# EAGLE board Mk4 Final a Panel score (EAGLE 9.0.1), part 9 of 24
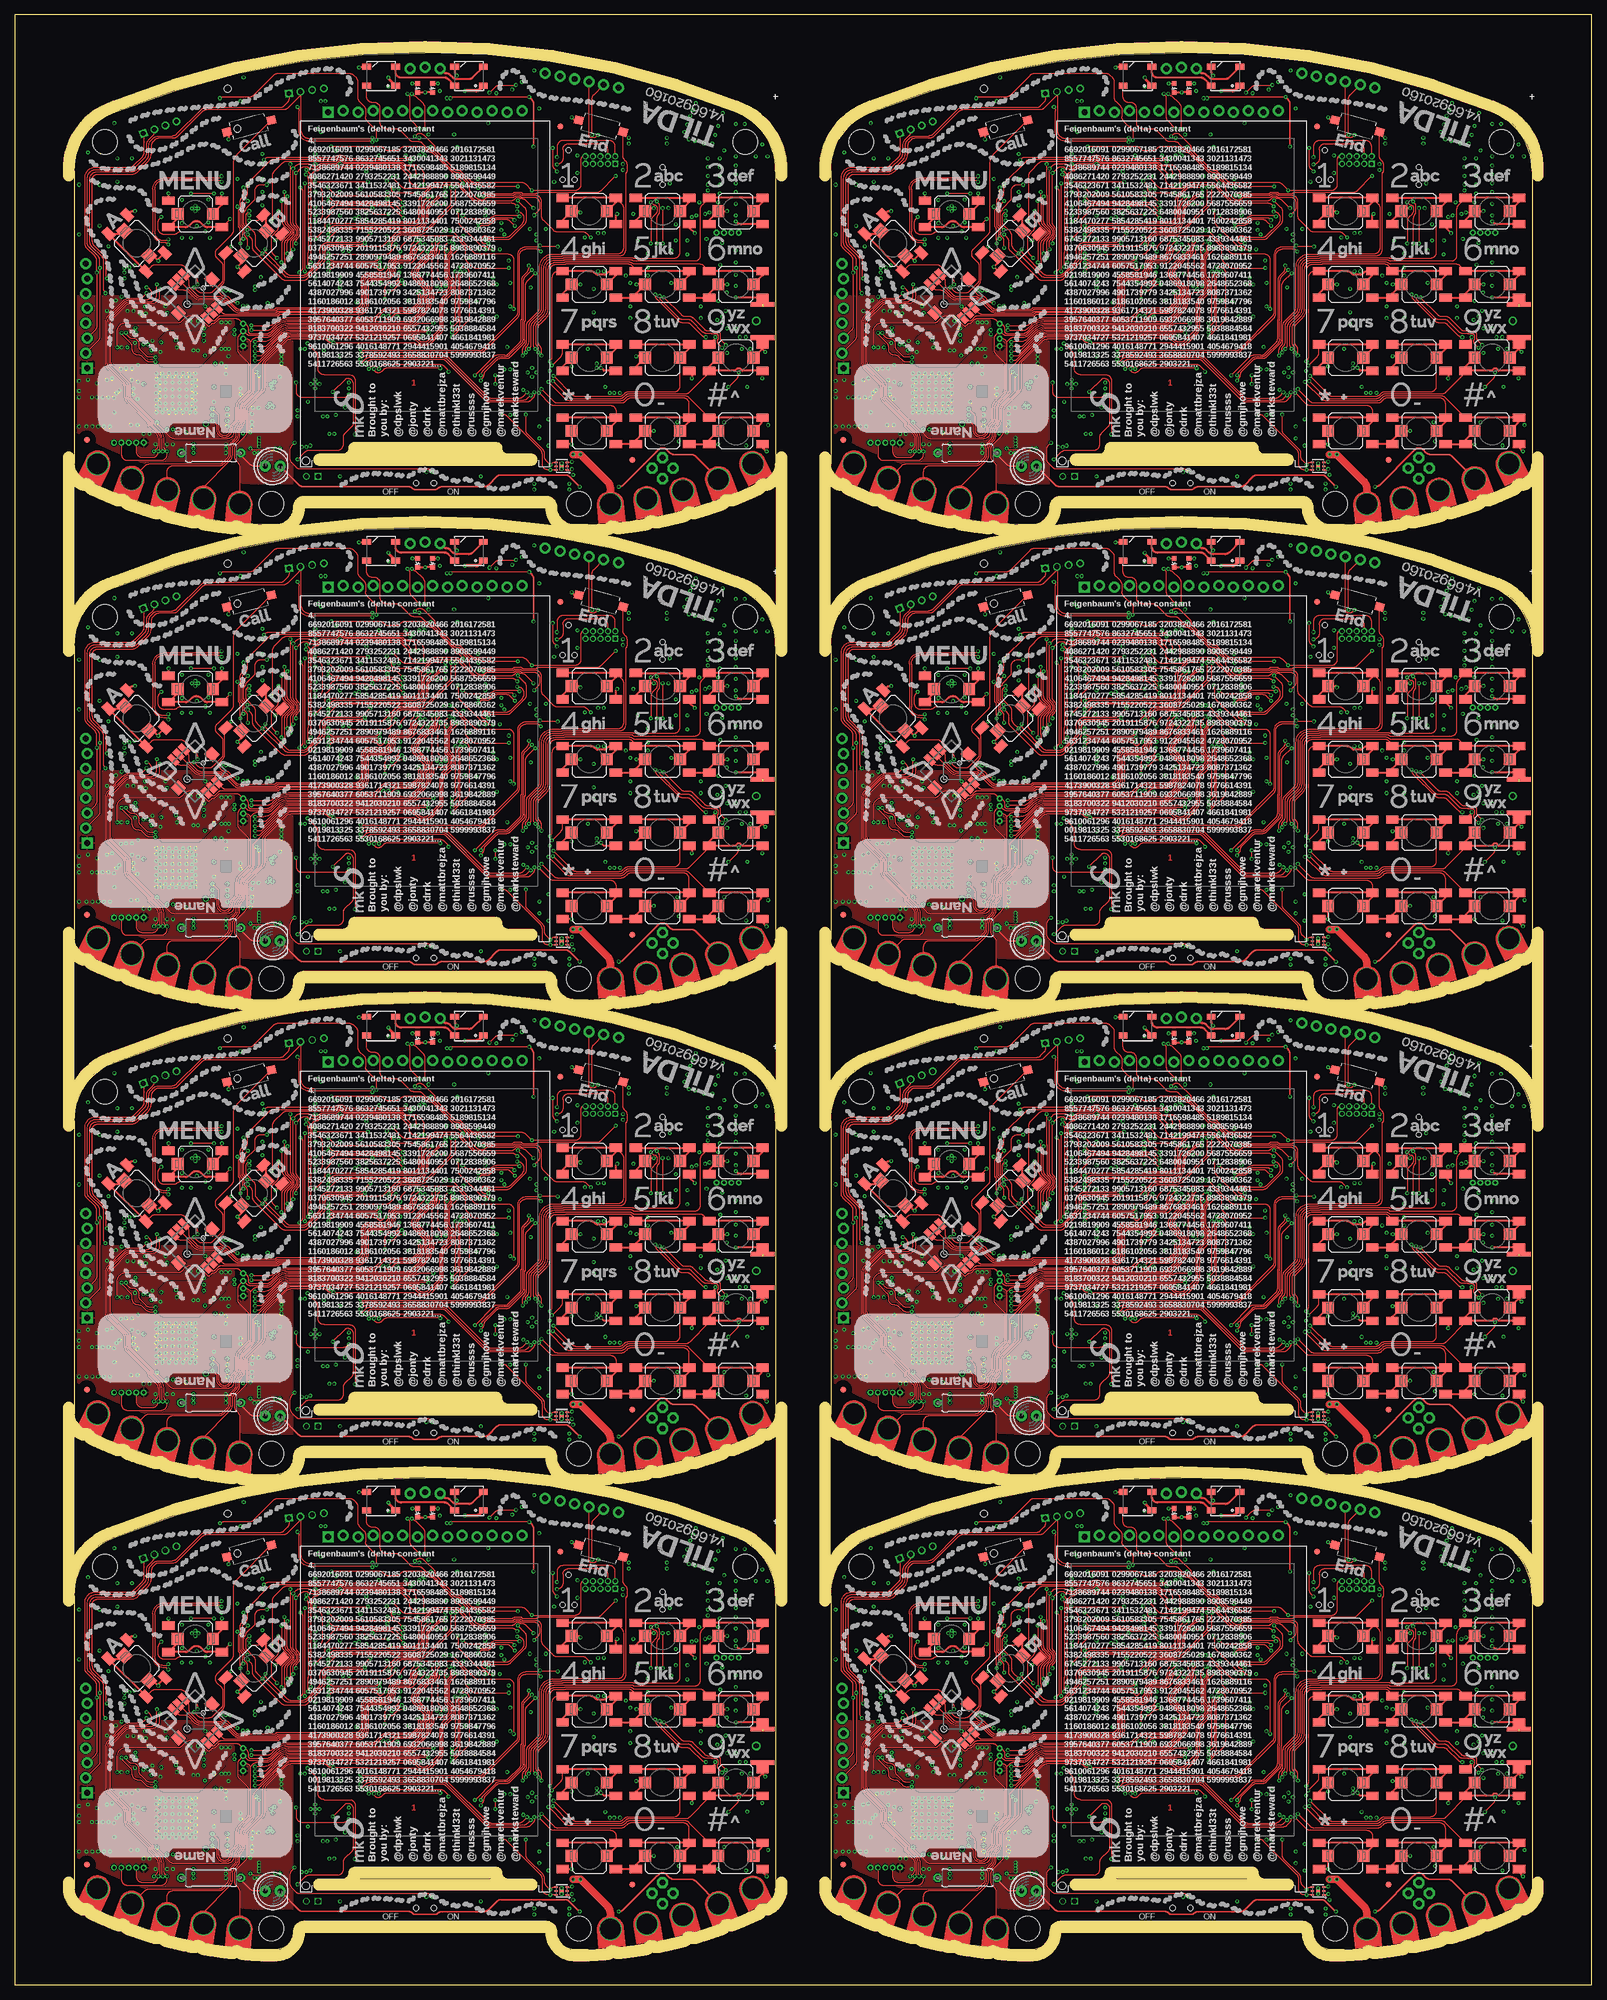
[diagram p0: board, top side]
## Tracks (layer width: path | path; a pad name or v marks a point on that pad's centre or on a via) (continued)
BTN_CALL3  (via drill 0.3)
  Top 0.15: v217.65,109.6 217.65,109.26 arc-45 217.36,108.56 216.99,108.19 arc-45 216.29,107.9 210.22,107.9 arc-45 209.16,108.34 202.59,114.91 arc45 201.89,115.2 190.01,115.2 arc45 189.31,114.91 v188.8,114.4 | S79.2 166.86,150.1 arc45 166.28,148.69 166.28,137.19 arc-45 165.98,136.48 163.46,133.96 arc90 163.46,132.54 164.21,131.79 arc-45 164.5,131.09 164.5,128.91 arc-45 164.21,128.21 162.79,126.79 arc-45 162.08,126.49 161.02,126.49 arc-45 160.31,126.79 v159.6,127.5
  Bottom 0.15: IC67.15 217.5,109.75 v217.65,109.6 | v188.8,114.4 188.38,113.98 arc-90 187.32,113.98 184.72,116.58 arc45 184.01,116.88 183.17,116.88 arc-45 182.11,117.31 178.52,120.91 arc45 177.81,121.2 170.62,121.2 arc-45 170.48,121.26 170.28,121.47 arc45 170.13,121.53 169.7,121.53 arc-45 168.64,121.96 166.89,123.71 arc45 166.19,124 163.92,124 arc-45 163.03,124.37 162.09,125.31 arc45 161.39,125.6 160.85,125.6 arc-90 159.6,126.85 v159.6,127.5
BTN_CALL4  (via drill 0.3)
  Top 0.15: v88.65,190.6 88.65,190.26 arc-45 88.36,189.56 87.99,189.19 arc-45 87.29,188.9 81.22,188.9 arc-45 80.16,189.34 73.59,195.91 arc45 72.89,196.2 61.01,196.2 arc45 60.31,195.91 v59.8,195.4 | S100.2 37.86,231.1 arc45 37.27,229.69 37.27,218.19 arc-45 36.98,217.48 34.46,214.96 arc90 34.46,213.54 35.21,212.79 arc-45 35.5,212.09 35.5,209.91 arc-45 35.21,209.21 33.79,207.79 arc-45 33.08,207.49 32.02,207.49 arc-45 31.31,207.79 v30.6,208.5
  Bottom 0.15: IC85.15 88.5,190.75 v88.65,190.6 | v59.8,195.4 59.38,194.98 arc-90 58.32,194.98 55.72,197.58 arc45 55.01,197.88 54.17,197.88 arc-45 53.11,198.31 49.52,201.91 arc45 48.81,202.2 41.62,202.2 arc-45 41.48,202.26 41.28,202.47 arc45 41.14,202.53 40.7,202.53 arc-45 39.64,202.96 37.89,204.71 arc45 37.19,205 34.92,205 arc-45 34.03,205.37 33.09,206.31 arc45 32.39,206.6 31.85,206.6 arc-90 30.6,207.85 v30.6,208.5
BTN_CALL5  (via drill 0.3)
  Top 0.15: v217.65,190.6 217.65,190.26 arc-45 217.36,189.56 216.99,189.19 arc-45 216.29,188.9 210.22,188.9 arc-45 209.16,189.34 202.59,195.91 arc45 201.89,196.2 190.01,196.2 arc45 189.31,195.91 v188.8,195.4 | S121.2 166.86,231.1 arc45 166.28,229.69 166.28,218.19 arc-45 165.98,217.48 163.46,214.96 arc90 163.46,213.54 164.21,212.79 arc-45 164.5,212.09 164.5,209.91 arc-45 164.21,209.21 162.79,207.79 arc-45 162.08,207.49 161.02,207.49 arc-45 160.31,207.79 v159.6,208.5
  Bottom 0.15: IC103.15 217.5,190.75 v217.65,190.6 | v188.8,195.4 188.38,194.98 arc-90 187.32,194.98 184.72,197.58 arc45 184.01,197.88 183.17,197.88 arc-45 182.11,198.31 178.52,201.91 arc45 177.81,202.2 170.62,202.2 arc-45 170.48,202.26 170.28,202.47 arc45 170.13,202.53 169.7,202.53 arc-45 168.64,202.96 166.89,204.71 arc45 166.19,205 163.92,205 arc-45 163.03,205.37 162.09,206.31 arc45 161.39,206.6 160.85,206.6 arc-90 159.6,207.85 v159.6,208.5
BTN_CALL6  (via drill 0.3)
  Top 0.15: v88.65,271.6 88.65,271.26 arc-45 88.36,270.56 87.99,270.19 arc-45 87.29,269.9 81.22,269.9 arc-45 80.16,270.34 73.59,276.91 arc45 72.89,277.2 61.01,277.2 arc45 60.31,276.91 v59.8,276.4 | S142.2 37.86,312.1 arc45 37.27,310.69 37.27,299.19 arc-45 36.98,298.48 34.46,295.96 arc90 34.46,294.54 35.21,293.79 arc-45 35.5,293.09 35.5,290.91 arc-45 35.21,290.21 33.79,288.79 arc-45 33.08,288.49 32.02,288.49 arc-45 31.31,288.79 v30.6,289.5
  Bottom 0.15: IC121.15 88.5,271.75 v88.65,271.6 | v59.8,276.4 59.38,275.98 arc-90 58.32,275.98 55.72,278.58 arc45 55.01,278.88 54.17,278.88 arc-45 53.11,279.31 49.52,282.91 arc45 48.81,283.2 41.62,283.2 arc-45 41.48,283.26 41.28,283.47 arc45 41.14,283.52 40.7,283.52 arc-45 39.64,283.96 37.89,285.71 arc45 37.19,286 34.92,286 arc-45 34.03,286.37 33.09,287.31 arc45 32.39,287.6 31.85,287.6 arc-90 30.6,288.85 v30.6,289.5
BTN_CALL7  (via drill 0.3)
  Top 0.15: v217.65,271.6 217.65,271.26 arc-45 217.36,270.56 216.99,270.19 arc-45 216.29,269.9 210.22,269.9 arc-45 209.16,270.34 202.59,276.91 arc45 201.89,277.2 190.01,277.2 arc45 189.31,276.91 v188.8,276.4 | S163.2 166.86,312.1 arc45 166.28,310.69 166.28,299.19 arc-45 165.98,298.48 163.46,295.96 arc90 163.46,294.54 164.21,293.79 arc-45 164.5,293.09 164.5,290.91 arc-45 164.21,290.21 162.79,288.79 arc-45 162.08,288.49 161.02,288.49 arc-45 160.31,288.79 v159.6,289.5
  Bottom 0.15: IC139.15 217.5,271.75 v217.65,271.6 | v188.8,276.4 188.38,275.98 arc-90 187.32,275.98 184.72,278.58 arc45 184.01,278.88 183.17,278.88 arc-45 182.11,279.31 178.52,282.91 arc45 177.81,283.2 170.62,283.2 arc-45 170.48,283.26 170.28,283.47 arc45 170.13,283.52 169.7,283.52 arc-45 168.64,283.96 166.89,285.71 arc45 166.19,286 163.92,286 arc-45 163.03,286.37 162.09,287.31 arc45 161.39,287.6 160.85,287.6 arc-90 159.6,288.85 v159.6,289.5
BTN_END  (via drill 0.3)
  Top 0.2: S17.2 103.77,68.9 arc45 104.06,68.19 104.21,68.04 arc-45 104.5,67.34 104.5,66.46 arc-45 104.35,66.1 arc45 104.25,65.85 104.25,52.9 arc-90 103.25,51.9 93.45,51.9 93.38,51.83 91.9,51.83 arc90 89.9,49.83 89.9,43.05 arc-45 89.53,42.16 87.99,40.62 arc45 87.7,39.92 87.7,37.19 arc-45 87.41,36.48 87.3,36.37 arc45 87.15,36.02 87.15,35.77 87.2,35.72 v87.2,35.4
  Bottom 0.15: IC4.2 87.5,34.69 arc45 v87.21,35.39 v87.2,35.4
BTN_END1  (via drill 0.3)
  Top 0.2: S38.2 232.77,68.9 arc45 233.06,68.19 233.21,68.04 arc-45 233.5,67.34 233.5,66.46 arc-45 233.35,66.1 arc45 233.25,65.85 233.25,52.9 arc-90 232.25,51.9 222.46,51.9 222.38,51.83 220.9,51.83 arc90 218.9,49.83 218.9,43.05 arc-45 218.53,42.16 216.99,40.62 arc45 216.7,39.92 216.7,37.19 arc-45 216.41,36.48 216.3,36.37 arc45 216.15,36.02 216.15,35.77 216.2,35.72 v216.2,35.4
  Bottom 0.15: IC31.2 216.5,34.69 arc45 v216.21,35.39 v216.2,35.4
BTN_END2  (via drill 0.3)
  Top 0.2: S59.2 103.77,149.9 arc45 104.06,149.19 104.21,149.04 arc-45 104.5,148.34 104.5,147.46 arc-45 104.35,147.1 arc45 104.25,146.85 104.25,133.9 arc-90 103.25,132.9 93.45,132.9 93.38,132.82 91.9,132.82 arc90 89.9,130.82 89.9,124.05 arc-45 89.53,123.16 87.99,121.62 arc45 87.7,120.92 87.7,118.19 arc-45 87.41,117.48 87.3,117.37 arc45 87.15,117.02 87.15,116.77 87.2,116.72 v87.2,116.4
  Bottom 0.15: IC49.2 87.5,115.69 arc45 v87.21,116.39 v87.2,116.4
BTN_END3  (via drill 0.3)
  Top 0.2: S80.2 232.77,149.9 arc45 233.06,149.19 233.21,149.04 arc-45 233.5,148.34 233.5,147.46 arc-45 233.35,147.1 arc45 233.25,146.85 233.25,133.9 arc-90 232.25,132.9 222.46,132.9 222.38,132.82 220.9,132.82 arc90 218.9,130.82 218.9,124.05 arc-45 218.53,123.16 216.99,121.62 arc45 216.7,120.92 216.7,118.19 arc-45 216.41,117.48 216.3,117.37 arc45 216.15,117.02 216.15,116.77 216.2,116.72 v216.2,116.4
  Bottom 0.15: IC67.2 216.5,115.69 arc45 v216.21,116.39 v216.2,116.4
BTN_END4  (via drill 0.3)
  Top 0.2: S101.2 103.77,230.9 arc45 104.06,230.19 104.21,230.04 arc-45 104.5,229.34 104.5,228.46 arc-45 104.35,228.1 arc45 104.25,227.85 104.25,214.9 arc-90 103.25,213.9 93.45,213.9 93.38,213.82 91.9,213.82 arc90 89.9,211.82 89.9,205.05 arc-45 89.53,204.16 87.99,202.62 arc45 87.7,201.92 87.7,199.19 arc-45 87.41,198.49 87.3,198.37 arc45 87.15,198.02 87.15,197.77 87.2,197.72 v87.2,197.4
  Bottom 0.15: IC85.2 87.5,196.69 arc45 v87.21,197.39 v87.2,197.4
BTN_END5  (via drill 0.3)
  Top 0.2: S122.2 232.77,230.9 arc45 233.06,230.19 233.21,230.04 arc-45 233.5,229.34 233.5,228.46 arc-45 233.35,228.1 arc45 233.25,227.85 233.25,214.9 arc-90 232.25,213.9 222.46,213.9 222.38,213.82 220.9,213.82 arc90 218.9,211.82 218.9,205.05 arc-45 218.53,204.16 216.99,202.62 arc45 216.7,201.92 216.7,199.19 arc-45 216.41,198.49 216.3,198.37 arc45 216.15,198.02 216.15,197.77 216.2,197.72 v216.2,197.4
  Bottom 0.15: IC103.2 216.5,196.69 arc45 v216.21,197.39 v216.2,197.4
BTN_END6  (via drill 0.3)
  Top 0.2: S143.2 103.77,311.9 arc45 104.06,311.19 104.21,311.04 arc-45 104.5,310.34 104.5,309.46 arc-45 104.35,309.1 arc45 104.25,308.85 104.25,295.9 arc-90 103.25,294.9 93.45,294.9 93.38,294.82 91.9,294.82 arc90 89.9,292.82 89.9,286.05 arc-45 89.53,285.16 87.99,283.62 arc45 87.7,282.92 87.7,280.19 arc-45 87.41,279.49 87.3,279.37 arc45 87.15,279.02 87.15,278.77 87.2,278.72 v87.2,278.4
  Bottom 0.15: IC121.2 87.5,277.69 arc45 v87.21,278.39 v87.2,278.4
BTN_END7  (via drill 0.3)
  Top 0.2: S164.2 232.77,311.9 arc45 233.06,311.19 233.21,311.04 arc-45 233.5,310.34 233.5,309.46 arc-45 233.35,309.1 arc45 233.25,308.85 233.25,295.9 arc-90 232.25,294.9 222.46,294.9 222.38,294.82 220.9,294.82 arc90 218.9,292.82 218.9,286.05 arc-45 218.53,285.16 216.99,283.62 arc45 216.7,282.92 216.7,280.19 arc-45 216.41,279.49 216.3,279.37 arc45 216.15,279.02 216.15,278.77 216.2,278.72 v216.2,278.4
  Bottom 0.15: IC139.2 216.5,277.69 arc45 v216.21,278.39 v216.2,278.4
BTN_MENU  (via drill 0.3)
  Top 0.15: S14.B1 v36.75,58.15 | v54,70.5 62.23,70.5 arc-45 62.94,70.21 63.08,70.07 arc45 63.78,69.78 65.02,69.78 arc45 65.72,70.07 65.86,70.21 arc-45 66.57,70.5 69.23,70.5 arc-45 69.93,70.21 70.37,69.77 arc45 71.08,69.47 arc-45 71.33,69.37 75.02,65.68 arc-45 75.08,65.54 75.08,65.47 arc90 75.58,64.97 75.64,64.97 arc-45 75.78,64.92 v76.45,64.25
  Top 0.3: S14.2 27.8,58.3 S14.B2 29.09,56.75 arc45 29.79,57.04 30.21,57.46 arc-45 30.91,57.75 31.09,57.75 arc-45 31.79,57.46 32.21,57.04 arc45 32.91,56.75 S14.B1
  Bottom 0.15: v54,70.5 38.75,70.5 arc90 36.75,68.5 v36.75,58.15 | IC1.102 76.95,63.2 arc-90 76.45,63.7 v76.45,64.25
BTN_MENU1  (via drill 0.3)
  Top 0.15: S36.B1 v165.75,58.15 | v183,70.5 191.23,70.5 arc-45 191.94,70.21 192.08,70.07 arc45 192.78,69.78 194.02,69.78 arc45 194.72,70.07 194.86,70.21 arc-45 195.57,70.5 198.23,70.5 arc-45 198.93,70.21 199.37,69.77 arc45 200.08,69.47 arc-45 200.33,69.37 204.02,65.68 arc-45 204.07,65.54 204.07,65.47 arc90 204.57,64.97 204.64,64.97 arc-45 204.78,64.92 v205.45,64.25
  Top 0.3: S36.2 156.8,58.3 S36.B2 158.09,56.75 arc45 158.79,57.04 159.21,57.46 arc-45 159.91,57.75 160.09,57.75 arc-45 160.79,57.46 161.21,57.04 arc45 161.91,56.75 S36.B1
  Bottom 0.15: v183,70.5 167.75,70.5 arc90 165.75,68.5 v165.75,58.15 | IC20.102 205.95,63.2 arc-90 205.45,63.7 v205.45,64.25
BTN_MENU2  (via drill 0.3)
  Top 0.15: S57.B1 v36.75,139.15 | v54,151.5 62.23,151.5 arc-45 62.94,151.21 63.08,151.07 arc45 63.78,150.78 65.02,150.78 arc45 65.72,151.07 65.86,151.21 arc-45 66.57,151.5 69.23,151.5 arc-45 69.93,151.21 70.37,150.77 arc45 71.08,150.47 arc-45 71.33,150.37 75.02,146.68 arc-45 75.08,146.54 75.08,146.47 arc90 75.58,145.97 75.64,145.97 arc-45 75.78,145.92 v76.45,145.25
  Top 0.3: S57.2 27.8,139.3 S57.B2 29.09,137.75 arc45 29.79,138.04 30.21,138.46 arc-45 30.91,138.75 31.09,138.75 arc-45 31.79,138.46 32.21,138.04 arc45 32.91,137.75 S57.B1
  Bottom 0.15: v54,151.5 38.75,151.5 arc90 36.75,149.5 v36.75,139.15 | IC38.102 76.95,144.2 arc-90 76.45,144.7 v76.45,145.25
BTN_MENU3  (via drill 0.3)
  Top 0.15: S78.B1 v165.75,139.15 | v183,151.5 191.23,151.5 arc-45 191.94,151.21 192.08,151.07 arc45 192.78,150.78 194.02,150.78 arc45 194.72,151.07 194.86,151.21 arc-45 195.57,151.5 198.23,151.5 arc-45 198.93,151.21 199.37,150.77 arc45 200.08,150.47 arc-45 200.33,150.37 204.02,146.68 arc-45 204.07,146.54 204.07,146.47 arc90 204.57,145.97 204.64,145.97 arc-45 204.78,145.92 v205.45,145.25
  Top 0.3: S78.2 156.8,139.3 S78.B2 158.09,137.75 arc45 158.79,138.04 159.21,138.46 arc-45 159.91,138.75 160.09,138.75 arc-45 160.79,138.46 161.21,138.04 arc45 161.91,137.75 S78.B1
  Bottom 0.15: v183,151.5 167.75,151.5 arc90 165.75,149.5 v165.75,139.15 | IC56.102 205.95,144.2 arc-90 205.45,144.7 v205.45,145.25
BTN_MENU4  (via drill 0.3)
  Top 0.15: S99.B1 v36.75,220.15 | v54,232.5 62.23,232.5 arc-45 62.94,232.21 63.08,232.07 arc45 63.78,231.78 65.02,231.78 arc45 65.72,232.07 65.86,232.21 arc-45 66.57,232.5 69.23,232.5 arc-45 69.93,232.21 70.37,231.77 arc45 71.08,231.47 arc-45 71.33,231.37 75.02,227.68 arc-45 75.08,227.54 75.08,227.47 arc90 75.58,226.97 75.64,226.97 arc-45 75.78,226.92 v76.45,226.25
  Top 0.3: S99.2 27.8,220.3 S99.B2 29.09,218.75 arc45 29.79,219.04 30.21,219.46 arc-45 30.91,219.75 31.09,219.75 arc-45 31.79,219.46 32.21,219.04 arc45 32.91,218.75 S99.B1
  Bottom 0.15: v54,232.5 38.75,232.5 arc90 36.75,230.5 v36.75,220.15 | IC74.102 76.95,225.2 arc-90 76.45,225.7 v76.45,226.25
BTN_MENU5  (via drill 0.3)
  Top 0.15: S120.B1 v165.75,220.15 | v183,232.5 191.23,232.5 arc-45 191.94,232.21 192.08,232.07 arc45 192.78,231.78 194.02,231.78 arc45 194.72,232.07 194.86,232.21 arc-45 195.57,232.5 198.23,232.5 arc-45 198.93,232.21 199.37,231.77 arc45 200.08,231.47 arc-45 200.33,231.37 204.02,227.68 arc-45 204.07,227.54 204.07,227.47 arc90 204.57,226.97 204.64,226.97 arc-45 204.78,226.92 v205.45,226.25
  Top 0.3: S120.2 156.8,220.3 S120.B2 158.09,218.75 arc45 158.79,219.04 159.21,219.46 arc-45 159.91,219.75 160.09,219.75 arc-45 160.79,219.46 161.21,219.04 arc45 161.91,218.75 S120.B1
  Bottom 0.15: v183,232.5 167.75,232.5 arc90 165.75,230.5 v165.75,220.15 | IC92.102 205.95,225.2 arc-90 205.45,225.7 v205.45,226.25
BTN_MENU6  (via drill 0.3)
  Top 0.15: S141.B1 v36.75,301.15 | v54,313.5 62.23,313.5 arc-45 62.94,313.21 63.08,313.07 arc45 63.78,312.77 65.02,312.77 arc45 65.72,313.07 65.86,313.21 arc-45 66.57,313.5 69.23,313.5 arc-45 69.93,313.21 70.37,312.77 arc45 71.08,312.48 arc-45 71.33,312.37 75.02,308.68 arc-45 75.08,308.54 75.08,308.48 arc90 75.58,307.98 75.64,307.98 arc-45 75.78,307.92 v76.45,307.25
  Top 0.3: S141.2 27.8,301.3 S141.B2 29.09,299.75 arc45 29.79,300.04 30.21,300.46 arc-45 30.91,300.75 31.09,300.75 arc-45 31.79,300.46 32.21,300.04 arc45 32.91,299.75 S141.B1
  Bottom 0.15: v54,313.5 38.75,313.5 arc90 36.75,311.5 v36.75,301.15 | IC110.102 76.95,306.2 arc-90 76.45,306.7 v76.45,307.25
BTN_MENU7  (via drill 0.3)
  Top 0.15: S162.B1 v165.75,301.15 | v183,313.5 191.23,313.5 arc-45 191.94,313.21 192.08,313.07 arc45 192.78,312.77 194.02,312.77 arc45 194.72,313.07 194.86,313.21 arc-45 195.57,313.5 198.23,313.5 arc-45 198.93,313.21 199.37,312.77 arc45 200.08,312.48 arc-45 200.33,312.37 204.02,308.68 arc-45 204.07,308.54 204.07,308.48 arc90 204.57,307.98 204.64,307.98 arc-45 204.78,307.92 v205.45,307.25
  Top 0.3: S162.2 156.8,301.3 S162.B2 158.09,299.75 arc45 158.79,300.04 159.21,300.46 arc-45 159.91,300.75 160.09,300.75 arc-45 160.79,300.46 161.21,300.04 arc45 161.91,299.75 S162.B1
  Bottom 0.15: v183,313.5 167.75,313.5 arc90 165.75,311.5 v165.75,301.15 | IC128.102 205.95,306.2 arc-90 205.45,306.7 v205.45,307.25
BTST
  Bottom 0.15: IC8.21 48.54,29.75 48.04,29.25 C37.1
BTST1
  Bottom 0.15: IC24.21 177.54,29.75 177.04,29.25 C150.1
BTST2
  Bottom 0.15: IC42.21 48.54,110.75 48.04,110.25 C258.1
BTST3
  Bottom 0.15: IC60.21 177.54,110.75 177.04,110.25 C366.1
BTST4
  Bottom 0.15: IC78.21 48.54,191.75 48.04,191.25 C474.1
BTST5
  Bottom 0.15: IC96.21 177.54,191.75 177.04,191.25 C582.1
BTST6
  Bottom 0.15: IC114.21 48.54,272.75 48.04,272.25 C690.1
BTST7
  Bottom 0.15: IC132.21 177.54,272.75 177.04,272.25 C798.1
CC_!HIB  (via drill 0.3)
  Top 0.15: v41,37.2 42.48,37.2 arc45 43.72,37.71 45.07,39.07 arc-45 46.84,39.8 67.05,39.8 arc45 68.29,40.31 70.71,42.73 arc45 71,43.44 71,43.89 arc-45 71.15,44.25 71.35,44.45 arc45 71.5,44.81 71.5,45.1 arc-90 72,45.6 72.89,45.6 arc45 73.59,45.89 73.73,46.03 arc45 74.03,46.74 74.03,46.97 74,46.99 arc45 73.82,47.44 73.59,47.66 arc-45 73.3,48.37 73.3,52.46 arc-45 73.22,52.64 73.22,52.86 arc-45 73.3,53.04 73.3,53.29 arc-45 73.45,53.65 v74.1,54.3
  Bottom 0.15: IC15.2 30.75,23.7 arc45 30.89,23.36 31.88,22.38 arc45 32.18,22.25 33.79,22.25 arc45 34.15,22.4 R25.1 34.88,22.37 arc45 35.23,22.23 36.3,22.23 arc90 36.8,22.73 36.8,24.5 arc-45 37.39,25.91 38.81,27.33 arc45 39.1,28.04 39.1,34.89 arc-45 39.39,35.59 v41,37.2 | IC1.124 75.22,54.4 arc-45 75.08,54.46 75.08,54.47 arc45 74.94,54.52 74.53,54.52 arc45 74.18,54.38 v74.1,54.3
CC_!HIB1  (via drill 0.3)
  Top 0.15: v170,37.2 171.48,37.2 arc45 172.72,37.71 174.07,39.07 arc-45 175.84,39.8 196.05,39.8 arc45 197.29,40.31 199.71,42.73 arc45 200,43.44 200,43.89 arc-45 200.15,44.25 200.35,44.45 arc45 200.5,44.81 200.5,45.1 arc-90 201,45.6 201.89,45.6 arc45 202.59,45.89 202.73,46.03 arc45 203.03,46.74 203.03,46.97 203,46.99 arc45 202.82,47.44 202.59,47.66 arc-45 202.3,48.37 202.3,52.46 arc-45 202.22,52.64 202.22,52.86 arc-45 202.3,53.04 202.3,53.29 arc-45 202.45,53.65 v203.1,54.3
  Bottom 0.15: IC29.2 159.75,23.7 arc45 159.89,23.36 160.88,22.38 arc45 161.18,22.25 162.79,22.25 arc45 163.15,22.4 R107.1 163.88,22.37 arc45 164.23,22.23 165.3,22.23 arc90 165.8,22.73 165.8,24.5 arc-45 166.39,25.91 167.81,27.33 arc45 168.1,28.04 168.1,34.89 arc-45 168.39,35.59 v170,37.2 | IC20.124 204.22,54.4 arc-45 204.08,54.46 204.08,54.47 arc45 203.94,54.52 203.53,54.52 arc45 203.18,54.38 v203.1,54.3
CC_!HIB2  (via drill 0.3)
  Top 0.15: v41,118.2 42.48,118.2 arc45 43.72,118.71 45.07,120.07 arc-45 46.84,120.8 67.05,120.8 arc45 68.29,121.31 70.71,123.73 arc45 71,124.44 71,124.89 arc-45 71.15,125.25 71.35,125.45 arc45 71.5,125.81 71.5,126.1 arc-90 72,126.6 72.89,126.6 arc45 73.59,126.89 73.73,127.03 arc45 74.03,127.74 74.03,127.97 74,127.99 arc45 73.82,128.44 73.59,128.66 arc-45 73.3,129.37 73.3,133.46 arc-45 73.22,133.64 73.22,133.86 arc-45 73.3,134.04 73.3,134.29 arc-45 73.45,134.65 v74.1,135.3
  Bottom 0.15: IC47.2 30.75,104.7 arc45 30.89,104.36 31.88,103.38 arc45 32.18,103.25 33.79,103.25 arc45 34.15,103.4 R185.1 34.88,103.37 arc45 35.23,103.22 36.3,103.22 arc90 36.8,103.72 36.8,105.5 arc-45 37.39,106.91 38.81,108.33 arc45 39.1,109.04 39.1,115.89 arc-45 39.39,116.59 v41,118.2 | IC38.124 75.22,135.4 arc-45 75.08,135.46 75.08,135.47 arc45 74.94,135.53 74.53,135.53 arc45 74.18,135.38 v74.1,135.3
CC_!HIB3  (via drill 0.3)
  Top 0.15: v170,118.2 171.48,118.2 arc45 172.72,118.71 174.07,120.07 arc-45 175.84,120.8 196.05,120.8 arc45 197.29,121.31 199.71,123.73 arc45 200,124.44 200,124.89 arc-45 200.15,125.25 200.35,125.45 arc45 200.5,125.81 200.5,126.1 arc-90 201,126.6 201.89,126.6 arc45 202.59,126.89 202.73,127.03 arc45 203.03,127.74 203.03,127.97 203,127.99 arc45 202.82,128.44 202.59,128.66 arc-45 202.3,129.37 202.3,133.46 arc-45 202.22,133.64 202.22,133.86 arc-45 202.3,134.04 202.3,134.29 arc-45 202.45,134.65 v203.1,135.3
  Bottom 0.15: IC65.2 159.75,104.7 arc45 159.89,104.36 160.88,103.38 arc45 161.18,103.25 162.79,103.25 arc45 163.15,103.4 R263.1 163.88,103.37 arc45 164.23,103.22 165.3,103.22 arc90 165.8,103.72 165.8,105.5 arc-45 166.39,106.91 167.81,108.33 arc45 168.1,109.04 168.1,115.89 arc-45 168.39,116.59 v170,118.2 | IC56.124 204.22,135.4 arc-45 204.08,135.46 204.08,135.47 arc45 203.94,135.53 203.53,135.53 arc45 203.18,135.38 v203.1,135.3
CC_!HIB4  (via drill 0.3)
  Top 0.15: v41,199.2 42.48,199.2 arc45 43.72,199.71 45.07,201.07 arc-45 46.84,201.8 67.05,201.8 arc45 68.29,202.31 70.71,204.73 arc45 71,205.44 71,205.89 arc-45 71.15,206.25 71.35,206.45 arc45 71.5,206.81 71.5,207.1 arc-90 72,207.6 72.89,207.6 arc45 73.59,207.89 73.73,208.03 arc45 74.03,208.74 74.03,208.97 74,208.99 arc45 73.82,209.44 73.59,209.66 arc-45 73.3,210.37 73.3,214.46 arc-45 73.22,214.64 73.22,214.86 arc-45 73.3,215.04 73.3,215.29 arc-45 73.45,215.65 v74.1,216.3
  Bottom 0.15: IC83.2 30.75,185.7 arc45 30.89,185.36 31.88,184.38 arc45 32.18,184.25 33.79,184.25 arc45 34.15,184.4 R341.1 34.88,184.37 arc45 35.23,184.22 36.3,184.22 arc90 36.8,184.72 36.8,186.5 arc-45 37.39,187.91 38.81,189.33 arc45 39.1,190.04 39.1,196.89 arc-45 39.39,197.59 v41,199.2 | IC74.124 75.22,216.4 arc-45 75.08,216.46 75.08,216.47 arc45 74.94,216.53 74.53,216.53 arc45 74.18,216.38 v74.1,216.3
CC_!HIB5  (via drill 0.3)
  Top 0.15: v170,199.2 171.48,199.2 arc45 172.72,199.71 174.07,201.07 arc-45 175.84,201.8 196.05,201.8 arc45 197.29,202.31 199.71,204.73 arc45 200,205.44 200,205.89 arc-45 200.15,206.25 200.35,206.45 arc45 200.5,206.81 200.5,207.1 arc-90 201,207.6 201.89,207.6 arc45 202.59,207.89 202.73,208.03 arc45 203.03,208.74 203.03,208.97 203,208.99 arc45 202.82,209.44 202.59,209.66 arc-45 202.3,210.37 202.3,214.46 arc-45 202.22,214.64 202.22,214.86 arc-45 202.3,215.04 202.3,215.29 arc-45 202.45,215.65 v203.1,216.3
  Bottom 0.15: IC101.2 159.75,185.7 arc45 159.89,185.36 160.88,184.38 arc45 161.18,184.25 162.79,184.25 arc45 163.15,184.4 R419.1 163.88,184.37 arc45 164.23,184.22 165.3,184.22 arc90 165.8,184.72 165.8,186.5 arc-45 166.39,187.91 167.81,189.33 arc45 168.1,190.04 168.1,196.89 arc-45 168.39,197.59 v170,199.2 | IC92.124 204.22,216.4 arc-45 204.08,216.46 204.08,216.47 arc45 203.94,216.53 203.53,216.53 arc45 203.18,216.38 v203.1,216.3
CC_!HIB6  (via drill 0.3)
  Top 0.15: v41,280.2 42.48,280.2 arc45 43.72,280.71 45.07,282.07 arc-45 46.84,282.8 67.05,282.8 arc45 68.29,283.31 70.71,285.73 arc45 71,286.44 71,286.89 arc-45 71.15,287.25 71.35,287.45 arc45 71.5,287.81 71.5,288.1 arc-90 72,288.6 72.89,288.6 arc45 73.59,288.89 73.73,289.03 arc45 74.03,289.74 74.03,289.97 74,289.99 arc45 73.82,290.44 73.59,290.66 arc-45 73.3,291.37 73.3,295.46 arc-45 73.22,295.64 73.22,295.86 arc-45 73.3,296.04 73.3,296.29 arc-45 73.45,296.65 v74.1,297.3
  Bottom 0.15: IC119.2 30.75,266.7 arc45 30.89,266.36 31.88,265.38 arc45 32.18,265.25 33.79,265.25 arc45 34.15,265.4 R497.1 34.88,265.37 arc45 35.23,265.23 36.3,265.23 arc90 36.8,265.73 36.8,267.5 arc-45 37.39,268.91 38.81,270.33 arc45 39.1,271.04 39.1,277.89 arc-45 39.39,278.59 v41,280.2 | IC110.124 75.22,297.4 arc-45 75.08,297.46 75.08,297.47 arc45 74.94,297.52 74.53,297.52 arc45 74.18,297.38 v74.1,297.3
CC_!HIB7  (via drill 0.3)
  Top 0.15: v170,280.2 171.48,280.2 arc45 172.72,280.71 174.07,282.07 arc-45 175.84,282.8 196.05,282.8 arc45 197.29,283.31 199.71,285.73 arc45 200,286.44 200,286.89 arc-45 200.15,287.25 200.35,287.45 arc45 200.5,287.81 200.5,288.1 arc-90 201,288.6 201.89,288.6 arc45 202.59,288.89 202.73,289.03 arc45 203.03,289.74 203.03,289.97 203,289.99 arc45 202.82,290.44 202.59,290.66 arc-45 202.3,291.37 202.3,295.46 arc-45 202.22,295.64 202.22,295.86 arc-45 202.3,296.04 202.3,296.29 arc-45 202.45,296.65 v203.1,297.3
  Bottom 0.15: IC137.2 159.75,266.7 arc45 159.89,266.36 160.88,265.38 arc45 161.18,265.25 162.79,265.25 arc45 163.15,265.4 R575.1 163.88,265.37 arc45 164.23,265.23 165.3,265.23 arc90 165.8,265.73 165.8,267.5 arc-45 166.39,268.91 167.81,270.33 arc45 168.1,271.04 168.1,277.89 arc-45 168.39,278.59 v170,280.2 | IC128.124 204.22,297.4 arc-45 204.08,297.46 204.08,297.47 arc45 203.94,297.52 203.53,297.52 arc45 203.18,297.38 v203.1,297.3
CC_!RESET  (via drill 0.3)
  Top 0.15: v71.2,54.5 71.2,53.95 arc45 71.35,53.6 71.38,53.56 arc-45 71.53,53.21 71.53,53.09 arc-45 71.45,52.9 arc45 71.3,52.55 71.3,52.54 arc-45 71.15,52.19 68.86,49.89 arc90 68.86,48.12 70.31,46.67 arc-45 70.6,45.96 70.6,45.41 arc-45 70.45,45.05 70.25,44.85 arc45 70.1,44.49 70.1,44.22 arc-45 69.51,42.81 67.7,40.99 arc-45 66.99,40.7 46.78,40.7 arc45 44.58,39.85 43.63,38.89 arc-45 42.92,38.6 40.3,38.6 arc-90 39.8,39.1 39.8,39.51 arc90 JP5.4 38.39,40.91 arc45 37.69,41.2 35.13,41.2 arc45 34.78,41.05 34.26,40.53 arc-45 33.94,40.4 arc45 33.59,40.25 33.28,39.95 arc-90 32.92,39.95 31.56,41.31 arc45 30.86,41.6 29.81,41.6 arc45 29.11,41.31 28.49,40.69 arc-45 27.79,40.4 18.9,40.4 arc90 17.4,38.9 17.4,36.34 v17.5,36.24 v17.5,36.25
  Bottom 0.15: IC1.12 71.8,53.69 arc45 71.65,54.05 v71.2,54.5
  Bottom 0.2: IC15.32 22.75,32.25 22.54,32.46 arc-45 22.25,33.16 22.25,33.5 arc90 21.25,34.5 R73.1 C60.2 arc-90 17.5,35.25 v17.5,36.25
CC_!RESET1  (via drill 0.3)
  Top 0.15: v200.2,54.5 200.2,53.95 arc45 200.35,53.6 200.38,53.56 arc-45 200.53,53.21 200.53,53.09 arc-45 200.45,52.9 arc45 200.3,52.55 200.3,52.54 arc-45 200.15,52.19 197.86,49.89 arc90 197.86,48.12 199.31,46.67 arc-45 199.6,45.96 199.6,45.41 arc-45 199.45,45.05 199.25,44.85 arc45 199.1,44.49 199.1,44.22 arc-45 198.51,42.81 196.7,40.99 arc-45 195.99,40.7 175.78,40.7 arc45 173.58,39.85 172.63,38.89 arc-45 171.92,38.6 169.3,38.6 arc-90 168.8,39.1 168.8,39.51 arc90 JP16.4 167.39,40.91 arc45 166.69,41.2 164.13,41.2 arc45 163.78,41.05 163.26,40.53 arc-45 162.94,40.4 arc45 162.58,40.25 162.28,39.95 arc-90 161.93,39.95 160.56,41.31 arc45 159.86,41.6 158.81,41.6 arc45 158.11,41.31 157.49,40.69 arc-45 156.79,40.4 147.9,40.4 arc90 146.4,38.9 146.4,36.34 v146.5,36.24 v146.5,36.25
  Bottom 0.15: IC20.12 200.8,53.69 arc45 200.65,54.05 v200.2,54.5
  Bottom 0.2: IC29.32 151.75,32.25 151.54,32.46 arc-45 151.25,33.16 151.25,33.5 arc90 150.25,34.5 R151.1 C187.2 arc-90 146.5,35.25 v146.5,36.25
CC_!RESET2  (via drill 0.3)
  Top 0.15: v71.2,135.5 71.2,134.95 arc45 71.35,134.6 71.38,134.56 arc-45 71.53,134.21 71.53,134.09 arc-45 71.45,133.9 arc45 71.3,133.55 71.3,133.54 arc-45 71.15,133.19 68.86,130.89 arc90 68.86,129.12 70.31,127.67 arc-45 70.6,126.96 70.6,126.41 arc-45 70.45,126.05 70.25,125.85 arc45 70.1,125.49 70.1,125.22 arc-45 69.51,123.81 67.7,121.99 arc-45 66.99,121.7 46.78,121.7 arc45 44.58,120.85 43.63,119.89 arc-45 42.92,119.6 40.3,119.6 arc-90 39.8,120.1 39.8,120.51 arc90 JP25.4 38.39,121.91 arc45 37.69,122.2 35.13,122.2 arc45 34.78,122.05 34.26,121.53 arc-45 33.94,121.4 arc45 33.59,121.25 33.28,120.95 arc-90 32.92,120.95 31.56,122.31 arc45 30.86,122.6 29.81,122.6 arc45 29.11,122.31 28.49,121.69 arc-45 27.79,121.4 18.9,121.4 arc90 17.4,119.9 17.4,117.34 v17.5,117.24 v17.5,117.25